# KiCad board amp board.kicad_pcb (continued)
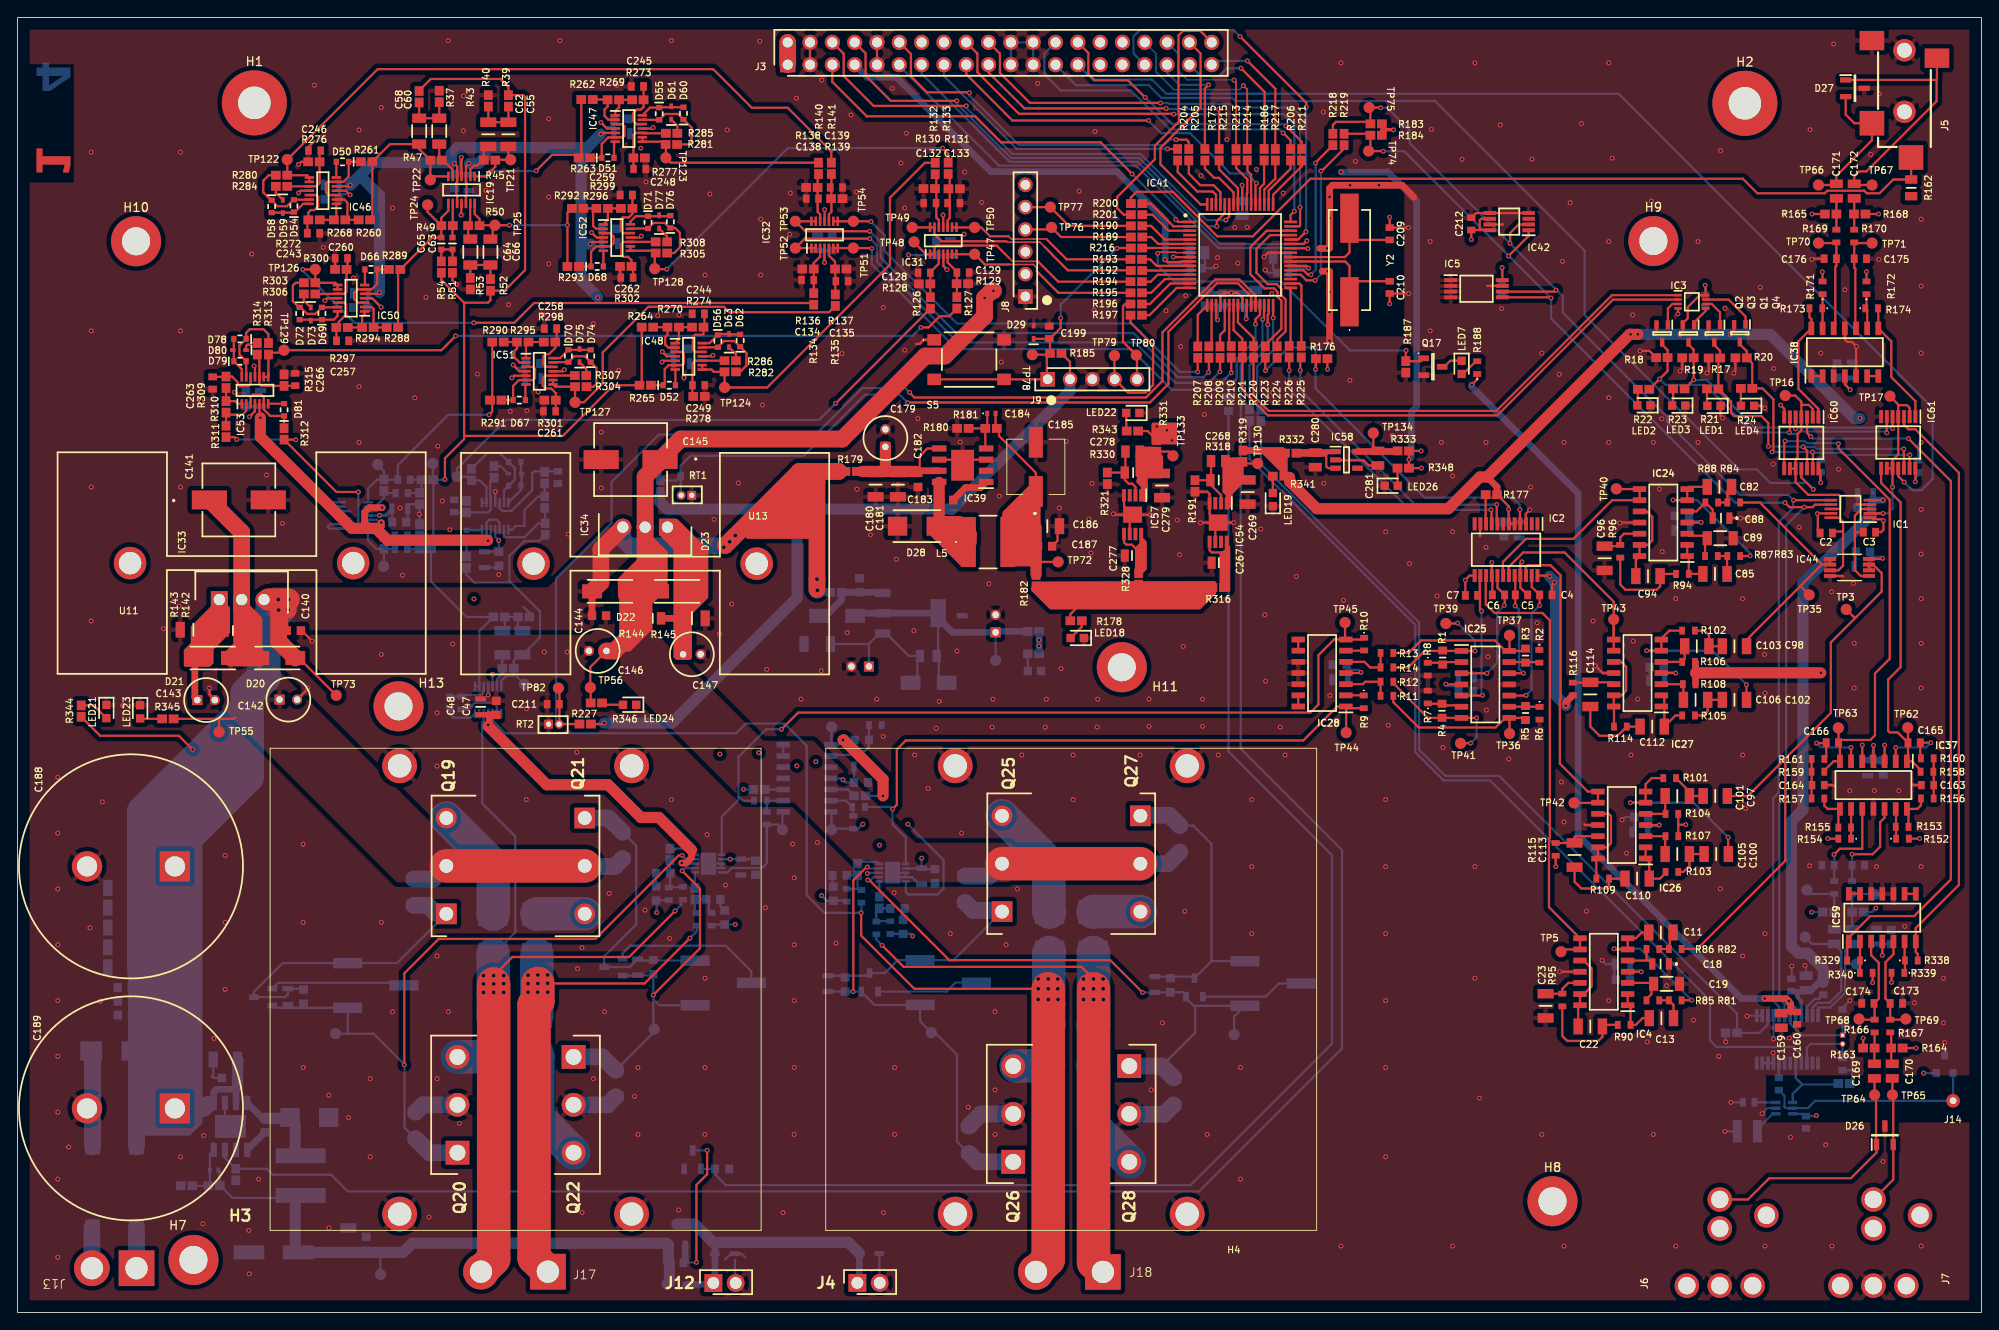
[diagram p0: board, top side]
## Library data of the parts (continued)
C155 C157 = -: Datasheet: https://datasheet.datasheetarchive.com/originals/distributors/Datasheets-DGA8/2473117.pdf; Height: 0.9; Manufacturer_Name: SAMSUNG; Manufacturer_Part_Number: CL10C220JB81PNC; Mouser Part Number: N/A; Mouser Price/Stock: https://www.mouser.co.uk/ProductDetail/Samsung-Electro-Mechanics/CL10C220JB81PNC?qs=X6jEic%2FHinCm8EFcRPgkKA%3D%3D
C161 C162 C173-C176 = -: Datasheet: https://content.kemet.com/datasheets/KEM_C1003_C0G_SMD.pdf; Description: SMD Comm C0G, Ceramic, 1000 pF, 10%, 25 VDC, 62.5 VDC, 125C, -55C, C0G, SMD, MLCC, Ultra-Stable, Low Loss, Class I, 0.1 % , 100 GOhms, 3.7 mg, 0603, 1.6mm, 0.8mm, 0.8mm, 0.7mm, 0.35mm, 4000, 78  Weeks, 120; Height: 0.87; Manufacturer_Name: KEMET; Manufacturer_Part_Number: C0603C102K3GACTU; Mouser Part Number: 80-C0603C102K3G; Mouser Price/Stock: https://www.mouser.co.uk/ProductDetail/KEMET/C0603C102K3GACTU?qs=WzS45ibvhQi32eNhok0ktg%3D%3D; Arrow Part Number: C0603C102K3GACTU; Arrow Price/Stock: https://www.arrow.com/en/products/c0603c102k3gactu/kemet-corporation?region=nac
C163 C164 = -: Datasheet: https://search.murata.co.jp/Ceramy/image/img/A01X/G101/ENG/GRM1885C1H182JA01-01A.pdf; Description: Multilayer Ceramic Capacitors MLCC - SMD/SMT 0.0018uF 50Volts 5%; Height: 0.9; Manufacturer_Name: Murata Electronics; Manufacturer_Part_Number: GRM1885C1H182JA01J; Mouser Part Number: 81-GRM1885C1H182JA1J; Mouser Price/Stock: https://www.mouser.com/Search/Refine.aspx?Keyword=81-GRM1885C1H182JA1J
C165 C166 = -: Datasheet: https://katalog.we-online.com/pbs/datasheet/885012006062.pdf; Description: Multilayer Ceramic Chip Capacitor WCAP-CSGP Series 0603 680pF NP00603681J050DFCT10000; Height: 0.87; Manufacturer_Name: Wurth Elektronik; Manufacturer_Part_Number: 885012006062; Mouser Part Number: 710-885012006062; Mouser Price/Stock: https://www.mouser.co.uk/ProductDetail/Wurth-Elektronik/885012006062?qs=0KOYDY2FL291FiLYqNdpUQ%3D%3D
C179 = -: Datasheet: http://industrial.panasonic.com/cdbs/www-data/pdf/RDF0000/ABA0000C1259.pdf; Height: 12.5; Manufacturer_Name: Panasonic; Manufacturer_Part_Number: EEU-FR1H100B; Mouser Part Number: 667-EEU-FR1H100B; Mouser Price/Stock: https://www.mouser.co.uk/ProductDetail/Panasonic/EEU-FR1H100B?qs=tfZGHB2PWd1xuGJO0KXeNw%3D%3D; Arrow Part Number: EEU-FR1H100B; Arrow Price/Stock: https://www.arrow.com/en/products/eeu-fr1h100b/panasonic?region=nac
C188 C189 = -: Datasheet: https://componentsearchengine.com/Datasheets/2/SLPX682M050C7P3.pdf; Height: 42; Manufacturer_Name: Cornell Dubilier; Manufacturer_Part_Number: SLPX682M050C7P3
C199 C243-C245 C247 C257-C259 C263 = -: Datasheet: https://datasheet.datasheetarchive.com/originals/distributors/Datasheets_SAMA/cc5107097899af003b9e5ad41810a26f.pdf; Height: 0.87; Manufacturer_Name: KEMET; Manufacturer_Part_Number: CC0603JRNPO9BN101; Mouser Part Number: 603-CC603JRNPO9BN101; Mouser Price/Stock: https://www.mouser.co.uk/ProductDetail/YAGEO/CC0603JRNPO9BN101?qs=AgBp2OyFlx%252Bc5vUOLFsmXA%3D%3D; Arrow Part Number: CC0603JRNPO9BN101; Arrow Price/Stock: https://www.arrow.com/en/products/cc0603jrnpo9bn101/yageo
C209 C210 = -: Datasheet: https://datasheet.datasheetarchive.com/originals/dk/DKDS-19/374021.pdf; Height: 0.9; Manufacturer_Name: SAMSUNG; Manufacturer_Part_Number: CL10C330JB8NNNC; Mouser Part Number: 187-CL10C330JB8NNNC; Mouser Price/Stock: https://www.mouser.co.uk/ProductDetail/Samsung-Electro-Mechanics/CL10C330JB8NNNC?qs=349EhDEZ59qFBaa9e46rsA%3D%3D; Arrow Part Number: CL10C330JB8NNNC; Arrow Price/Stock: https://www.arrow.com/en/products/cl10c330jb8nnnc/samsung-electro-mechanics?region=nac
C246 C248-C250 C260-C262 C266 = -: Datasheet: https://www.yageo.com/en/Chart/Download/pdf/CC0603KRX7R7BB104; Description: 0.1 F +/-10% 16V Ceramic Capacitor X7R 0603 (1608 Metric); Height: 0.9; Manufacturer_Name: YAGEO; Manufacturer_Part_Number: CC0603KRX7R7BB104; Mouser Part Number: 603-CC603KRX7R7BB104; Mouser Price/Stock: https://www.mouser.co.uk/ProductDetail/YAGEO/CC0603KRX7R7BB104?qs=AgBp2OyFlx8KPmNTlFoWXA%3D%3D; Arrow Part Number: CC0603KRX7R7BB104; Arrow Price/Stock: https://www.arrow.com/en/products/cc0603krx7r7bb104/yageo?region=europe
C267 C277 = -: Datasheet: https://www.mouser.in/datasheet/2/585/MLCC-1837944.pdf; Height: 1.35; Manufacturer_Name: SAMSUNG; Manufacturer_Part_Number: CL21B105KOFNNNE; Mouser Part Number: 187-CL21B105KOFNNNE; Mouser Price/Stock: https://www.mouser.co.uk/ProductDetail/Samsung-Electro-Mechanics/CL21B105KOFNNNE?qs=349EhDEZ59ohjD72SbqNgA%3D%3D; Arrow Part Number: CL21B105KOFNNNE; Arrow Price/Stock: https://www.arrow.com/en/products/cl21b105kofnnne/samsung-electro-mechanics?region=nac
C268 C278 = -: Datasheet: https://katalog.we-online.com/pbs/datasheet/885012007034.pdf; Height: 0.7; Manufacturer_Name: Wurth Elektronik; Manufacturer_Part_Number: 885012007034; Mouser Part Number: 710-885012007034; Mouser Price/Stock: https://www.mouser.co.uk/ProductDetail/Wurth-Elektronik/885012007034?qs=0KOYDY2FL2%2Fe7W6MOnhOJQ%3D%3D
D1 D19 D84 = -: Datasheet: https://componentsearchengine.com/Datasheets/2/BAT54JFILM.pdf; Height: 1.17; Manufacturer_Name: STMicroelectronics; Mouser Part Number: 511-BAT54JFILM; Mouser Price/Stock: https://www.mouser.co.uk/ProductDetail/STMicroelectronics/BAT54JFILM?qs=iux7VCIsw51N9WI%2FM0S0Rw%3D%3D; Arrow Price/Stock: https://www.arrow.com/en/products/bat54jfilm/stmicroelectronics?utm_currency=USD&region=europe
D17 D28 = -: Datasheet: http://www.st.com/web/en/resource/technical/document/datasheet/CD00002286.pdf; Height: 2.65; Manufacturer_Name: STMicroelectronics; Mouser Part Number: 511-STPS3L60U; Mouser Price/Stock: https://www.mouser.co.uk/ProductDetail/STMicroelectronics/STPS3L60U?qs=NP3vpjCFX6iwV3DBAjttBw%3D%3D; Arrow Price/Stock: https://www.arrow.com/en/products/stps3l60u/stmicroelectronics?region=europe
D20-D23 D82 D83 = -: Datasheet: https://componentsearchengine.com/Datasheets/2/S1B-13-F.pdf; Height: 2.3; Manufacturer_Name: Diodes Incorporated; Mouser Part Number: 621-S1B-F; Mouser Price/Stock: https://www.mouser.co.uk/ProductDetail/Diodes-Incorporated/S1B-13-F?qs=zxTnCqfIubBIimUkgF4o7A%3D%3D; Arrow Price/Stock: https://www.arrow.com/en/products/s1b-13-f/diodes-incorporated?utm_currency=USD&region=nac
D24 = -: Datasheet: https://www.diodes.com/assets/Datasheets/ds32185.pdf; Height: 1.2; Manufacturer_Name: Diodes Incorporated; Mouser Part Number: 621-D1213A-01SO-7; Mouser Price/Stock: https://www.mouser.com/Search/Refine.aspx?Keyword=621-D1213A-01SO-7; Arrow Price/Stock: https://www.arrow.com/en/products/d1213a-01so-7/diodes-incorporated?region=nac
D26 D27 = -: Datasheet: https://semtech.my.salesforce.com/sfc/p/E0000000JelG/a/440000001MKW/f6pBKheIN2CeR0DxWdS3THuJ7nh4aKYltSzghsLP5iw; Height: 1.2; Manufacturer_Name: SEMTECH
D29 = -: Datasheet: https://diotec.com/request/datasheet/esd5z2v5.pdf; Height: 0.7; Manufacturer_Name: Diotec; Mouser Part Number: 637-ESD5Z3V3; Mouser Price/Stock: https://www.mouser.co.uk/ProductDetail/Diotec-Semiconductor/ESD5Z3V3?qs=OlC7AqGiEDnHjVSpJadn8g%3D%3D; Arrow Price/Stock: https://www.arrow.com/en/products/esd5z3v3/diotec-semiconductor-ag?region=nac
D50-D58 D60 D62 D64 D66-D72 D74 D76 D78 D79 D81 = -: Datasheet: https://www.diodes.com//assets/Datasheets/1N4148WT.pdf; Description: Diode 80 V 125mA Surface Mount SOD-523; Height: 0.65; Manufacturer_Name: Diodes Incorporated; Manufacturer_Part_Number: 1N4148WT-7; Mouser Part Number: 621-1N4148WT; Mouser Price/Stock: https://www.mouser.co.uk/ProductDetail/Diodes-Incorporated/1N4148WT-7?qs=FITO%2F%2FQgYDlMYETivVNccQ%3D%3D; Arrow Part Number: 1N4148WT-7; Arrow Price/Stock: https://www.arrow.com/en/products/1n4148wt-7/diodes-incorporated?utm_currency=USD&region=europe
D59 D61 D63 D65 D73 D75 D77 D80 = -: Datasheet: http://www.onsemi.com/pub/Collateral/RB751S40T1-D.PDF; Height: 0.7; Manufacturer_Name: onsemi; Mouser Part Number: 863-RB751S40T1G; Mouser Price/Stock: https://www.mouser.co.uk/ProductDetail/onsemi/RB751S40T1G?qs=xZq1yRCsb1eQ%2Ff4mzLQKzQ%3D%3D; Arrow Price/Stock: https://www.arrow.com/en/products/rb751s40t1g/on-semiconductor?region=nac
H3 H4 = -: Datasheet: https://datasheet.datasheetarchive.com/originals/distributors/Datasheets-DGA11/2294770.pdf; Height: 39.3; Manufacturer_Name: Ohmite; Mouser Part Number: 588-MA-302-55E; Mouser Price/Stock: https://www.mouser.co.uk/ProductDetail/Ohmite/MA-302-55E?qs=tYmwsUu3c1E9CA0MfHqiiA%3D%3D
IC1 = -: Datasheet: https://datasheet.datasheetarchive.com/originals/distributors/Datasheets-4/DSA-75456.pdf; Description: AD5243BRMZ10, Digital Potentiometer 10k 256-Position 2-channel Serial-2 Wire, Serial-I2C 10-Pin MSOP; Height: 1.1; Manufacturer_Name: Analog Devices; Mouser Part Number: 584-AD5243BRMZ10; Mouser Price/Stock: https://www.mouser.co.uk/ProductDetail/Analog-Devices/AD5243BRMZ10?qs=NmRFExCfTkHtnPRbcc%252ByZQ%3D%3D; Arrow Price/Stock: null?region=nac
IC2 = -: Datasheet: https://datasheet.datasheetarchive.com/originals/distributors/Datasheets-1/DSA-1895.pdf; Description: Digital Potentiometer 256POS 10KOhm Quad AD5204BRUZ10, Digital Potentiometer 10k 256-Position 4-channel Serial-3 Wire, Serial-SPI 24-Pin TSSOP; Height: 1.2; Manufacturer_Name: Analog Devices; Mouser Part Number: 584-AD5204BRUZ10; Mouser Price/Stock: https://www.mouser.co.uk/ProductDetail/Analog-Devices/AD5204BRUZ10?qs=NmRFExCfTkFFm%252Bq9h%2Fwnrg%3D%3D; Arrow Price/Stock: https://www.arrow.com/en/products/ad5204bruz10/analog-devices?region=nac
IC3 = -: Datasheet: https://www.arrow.com/en/products/sn74lvc1g139dcut/texas-instruments; Height: 0.9; Manufacturer_Name: Texas Instruments; Mouser Part Number: 595-SN74LVC1G139DCUT; Mouser Price/Stock: https://www.mouser.co.uk/ProductDetail/Texas-Instruments/SN74LVC1G139DCUT?qs=2Yv9SV80M5jJOx4x6tBofA%3D%3D; Arrow Price/Stock: https://www.arrow.com/en/products/sn74lvc1g139dcut/texas-instruments?region=nac
IC4 IC24-IC28 IC37 IC38 IC45 IC59 = -: Datasheet: http://componentsearchengine.com/Datasheets/1/OPA1644AIDR.pdf; Height: 1.75; Manufacturer_Name: Texas Instruments; Mouser Part Number: 595-OPA1644AIDR; Mouser Price/Stock: https://www.mouser.co.uk/ProductDetail/Texas-Instruments/OPA1644AIDR?qs=%2Fqzd9s%252BcLd6xS3OL97VFEA%3D%3D; Arrow Price/Stock: https://www.arrow.com/en/products/opa1644aidr/texas-instruments?region=nac
IC5 = -: Datasheet: https://www.mouser.in/datasheet/2/268/AT24C256C-I2C-Compatible-Serial-EEPROM-256-Kbit-20-1398091.pdf; Description: Atmel AT24C256C-XHL-B EEPROM Memory, 256kbit, 600ns, 1.7  5.5 V 8-Pin TSSOP; Height: 1.2; Manufacturer_Name: Microchip; Mouser Part Number: 556-AT24C256C-XHL-B; Mouser Price/Stock: https://www.mouser.co.uk/ProductDetail/Microchip-Technology/AT24C256C-XHL-B?qs=fzsaQExJLyTlPrSwJGNJHg%3D%3D; Arrow Price/Stock: https://www.arrow.com/en/products/at24c256c-xhl-b/microchip-technology?utm_currency=USD&region=europe
IC18-IC20 IC31 IC32 IC46-IC53 = -: Datasheet: https://www.ti.com/lit/ds/symlink/tl074.pdf?HQS=dis-mous-null-mousermode-dsf-pf-null-wwe&ts=1653289518838&ref_url=https%253A%252F%252Fwww.mouser.es%252F; Height: 1.1; Manufacturer_Name: Texas Instruments; Mouser Part Number: 595-TL074HIDYYR; Mouser Price/Stock: https://www.mouser.co.uk/ProductDetail/Texas-Instruments/TL074HIDYYR?qs=Li%252BoUPsLEnudP2MOdP5hYw%3D%3D; Arrow Price/Stock: https://www.arrow.com/en/products/tl074hidyyr/texas-instruments?region=nac
IC30 IC39 = -: Datasheet: http://www.st.com/web/en/resource/technical/document/datasheet/CD00285678.pdf; Height: 1.75; Manufacturer_Name: STMicroelectronics; Mouser Part Number: 511-ST1S14PHR; Mouser Price/Stock: https://www.mouser.co.uk/ProductDetail/STMicroelectronics/ST1S14PHR?qs=NQm4g1eHia4Ogn8sLa%252BqDg%3D%3D; Arrow Price/Stock: https://www.arrow.com/en/products/st1s14phr/stmicroelectronics?region=europe
IC33 IC34 = -: Datasheet: http://www.ti.com/lit/ds/symlink/lm338.pdf; Height: 4.7; Manufacturer_Name: Texas Instruments; Manufacturer_Part_Number: LM338T/NOPB; Mouser Part Number: 926-LM338T/NOPB; Mouser Price/Stock: https://www.mouser.co.uk/ProductDetail/Texas-Instruments/LM338T-NOPB?qs=X1J7HmVL2ZENaH7%2FMvkSlw%3D%3D; Arrow Part Number: LM338T/NOPB; Arrow Price/Stock: null?region=nac
IC35 = -: Datasheet: http://www.psemi.com/pdf/datasheets/pe4259ds.pdf; Height: 1.1; Manufacturer_Name: Peregrine Semiconductor; Mouser Part Number: 81-4259-63; Mouser Price/Stock: https://www.mouser.co.uk/ProductDetail/pSemi/4259-63?qs=iw0hurA%2FaD37qvQcKdATTw%3D%3D
IC36 = -: Datasheet: https://www.silabs.com/documents/public/data-sheets/Si4730-31-34-35-D60.pdf; Height: 1.75; Manufacturer_Name: Silicon Labs; Mouser Part Number: N/A; Mouser Price/Stock: https://www.mouser.com/Search/Refine.aspx?Keyword=N%2FA; Arrow Part Number: SI4734-D60-GU; Arrow Price/Stock: https://www.arrow.com/en/products/si4734-d60-gu/silicon-labs
IC40 = -: Datasheet: https://datasheet.datasheetarchive.com/originals/distributors/Datasheets_SAMA/0500f9b2f473b6dccef01729b487fb9b.pdf; Height: 2; Manufacturer_Name: onsemi; Mouser Part Number: 512-SMBJ36A; Mouser Price/Stock: https://www.mouser.co.uk/ProductDetail/onsemi-Fairchild/SMBJ36A?qs=HxNY1oXTrTRMgWSOCenZ%252BQ%3D%3D; Arrow Price/Stock: https://www.arrow.com/en/products/smbj36a/on-semiconductor
IC41 = -: Datasheet: http://ww1.microchip.com/downloads/en/DeviceDoc/PIC24FJ128GL306-Family-Data-Sheet-DS30010198B.pdf; Height: 1.2; Manufacturer_Name: Microchip; Manufacturer_Part_Number: PIC24FJ128GL306-I/PT; Mouser Part Number: 579-C24FJ128GL306IPT; Mouser Price/Stock: https://www.mouser.co.uk/ProductDetail/Microchip-Technology/PIC24FJ128GL306-I-PT?qs=GBLSl2AkirtHmG5CiG9GPw%3D%3D; Arrow Part Number: PIC24FJ128GL306-I/PT; Arrow Price/Stock: https://www.arrow.com/en/products/pic24fj128gl306-ipt/microchip-technology?region=nac
IC42 = -: Datasheet: http://www.nxp.com/docs/en/data-sheet/LM75B.pdf; Height: 1.1; Manufacturer_Name: NXP; Mouser Part Number: 771-LM75BDP; Mouser Price/Stock: https://www.mouser.co.uk/ProductDetail/NXP-Semiconductors/LM75BDP118?qs=NVaOCIL7CYS15EE%252BCogVfA%3D%3D; Arrow Price/Stock: https://www.arrow.com/en/products/lm75bdp118/nxp-semiconductors?utm_currency=USD&region=nac
IC44 = -: Datasheet: http://componentsearchengine.com/Datasheets/1/OPA1642AIDGKT.pdf; Description: Dual sound-plus high-performance, JFET-input audio op amps&nbsp;; Manufacturer_Name: Texas Instruments; Mouser Part Number: 595-OPA1642AIDGKT; Mouser Price/Stock: https://www.mouser.co.uk/ProductDetail/Texas-Instruments/OPA1642AIDGKT?qs=%2Fqzd9s%252BcLd73RtEICYYIjg%3D%3D; Arrow Price/Stock: https://www.arrow.com/en/products/opa1642aidgkt/texas-instruments?region=nac
IC54 IC57 = -: Datasheet: https://www.ti.com/lit/ds/symlink/tlv767.pdf?ts=1634721803014&ref_url=https%253A%252F%252Fwww.ti.com%252Fproduct%252FTLV767; Height: 1.1; Manufacturer_Name: Texas Instruments; Mouser Part Number: 595-TLV76701DGNR; Mouser Price/Stock: https://www.mouser.co.uk/ProductDetail/Texas-Instruments/TLV76701DGNR?qs=QNEnbhJQKvYlzprjZl22mQ%3D%3D; Arrow Price/Stock: null?region=nac
IC56 = -: Datasheet: http://www.ti.com/lit/gpn/lm317m; Height: 1.8; Manufacturer_Name: Texas Instruments; Mouser Part Number: 595-LM317MDCYR; Mouser Price/Stock: https://www.mouser.co.uk/ProductDetail/Texas-Instruments/LM317MDCYR?qs=JS6RUWRH9DWKuMPAAfpOMw%3D%3D; Arrow Price/Stock: https://www.arrow.com/en/products/lm317mdcyr/texas-instruments?region=nac
IC58 = -: Datasheet: https://www.ti.com/lit/ds/symlink/tps7a20.pdf?ts=1608958015178&ref_url=https%253A%252F%252Fwww.mouser.mx%252F; Height: 1.45; Manufacturer_Name: Texas Instruments; Mouser Part Number: 595-TPS7A2025PDBVR; Mouser Price/Stock: https://www.mouser.co.uk/ProductDetail/Texas-Instruments/TPS7A2025PDBVR?qs=hd1VzrDQEGjF%252BORCie8Lyg%3D%3D; Arrow Price/Stock: https://www.arrow.com/en/products/tps7a2025pdbvr/texas-instruments?utm_currency=USD&region=europe
IC60 IC61 = -: Datasheet: http://www.ti.com/lit/ds/symlink/ts3a4751.pdf; Description: TS3A4751PWR, Analogue SPST Switch Quad SPST, 3 V, 14-pin TSSOP; Height: 1.2; Manufacturer_Name: Texas Instruments; Mouser Part Number: 595-TS3A4751PWR; Mouser Price/Stock: https://www.mouser.co.uk/ProductDetail/Texas-Instruments/TS3A4751PWR?qs=7kv20MEVUlhmaEkcoyao6g%3D%3D; Arrow Price/Stock: https://www.arrow.com/en/products/ts3a4751pwr/texas-instruments?region=nac
J3 = -: Datasheet: https://componentsearchengine.com/Datasheets/1/61304021821.pdf; Description: WURTH ELEKTRONIK - 61304021821 - Board-To-Board Connector, 2.54 mm, 40 Contacts, Receptacle, WR-PHD Series, Through Hole, 2 Rows; Height: 8.6; Manufacturer_Name: Wurth Elektronik; Mouser Part Number: 710-61304021821; Mouser Price/Stock: https://www.mouser.co.uk/ProductDetail/Wurth-Elektronik/61304021821?qs=bZr6mbWTK5mzEvTTGhcEyQ%3D%3D
J4 J12 = -: Datasheet: http://www.sullinscorp.com/drawings/78_P(N)PxCxxxLFBN-RC,_10492-H.pdf; Description: CONN HEADER FEMALE 2POS .1" TIN; Height: 8.5; Manufacturer_Name: Sullins
J5 = -: Datasheet: https://datasheet.datasheetarchive.com/originals/distributors/Datasheets-DGA1/151896.pdf; Description: Phone Connectors Audio Jacks; Manufacturer_Name: CUI Devices; Mouser Part Number: 490-SJ-3524-SMT-TR; Mouser Price/Stock: https://www.mouser.co.uk/ProductDetail/CUI-Devices/SJ-3524-SMT-TR?qs=WyjlAZoYn50%252B7OcNbxvx%252BA%3D%3D; Arrow Price/Stock: https://www.arrow.com/en/products/sj-3524-smt-tr/cui-devices?region=nac
J6 J7 = -: Datasheet: https://www.keyelco.com/userAssets/file/M65p106.pdf
J8 = -: Datasheet: https://componentsearchengine.com/Datasheets/2/61300611121.pdf; Height: 8.69; Manufacturer_Name: Wurth Elektronik; Mouser Part Number: 710-61300611121; Mouser Price/Stock: https://www.mouser.co.uk/ProductDetail/Wurth-Elektronik/61300611121?qs=t4813l51qx%2FRpdf0Kp1HlQ%3D%3D
J9 = -: Datasheet: http://katalog.we-online.de/em/datasheet/6130xx11121.pdf; Height: 8.54; Manufacturer_Name: Wurth Elektronik; Mouser Part Number: 710-61300511121; Mouser Price/Stock: https://www.mouser.co.uk/ProductDetail/Wurth-Elektronik/61300511121?qs=PhR8RmCirEZCsCRHq%252BvfRQ%3D%3D
L1 = -: Datasheet: https://search.murata.co.jp/Ceramy/image/img/P02/JELF243A-0024.pdf; Description: Murata LQQ18A Series Wire-wound SMD Inductor 0.056 uH +/-5% 360mA Idc Q:38; Height: 1; Manufacturer_Name: Murata Electronics; Manufacturer_Part_Number: LQW18AN56NJ00D; Mouser Part Number: 81-LQW18AN56NJ00D; Mouser Price/Stock: https://www.mouser.com/Search/Refine.aspx?Keyword=81-LQW18AN56NJ00D; Arrow Part Number: LQW18AN56NJ00D; Arrow Price/Stock: https://www.arrow.com/en/products/lqw18an56nj00d/murata-manufacturing?region=nac
L2 L5 = -: Datasheet: https://abracon.com/Magnetics/power/ASPI-6045S.pdf; Height: 4.5; Manufacturer_Name: ABRACON; Mouser Part Number: 815-ASPI-6045S-6R8MT; Mouser Price/Stock: https://www.mouser.co.uk/ProductDetail/ABRACON/ASPI-6045S-6R8M-T?qs=Y3s8Jkk9bu9mAbWIGyDq8w%3D%3D; Arrow Price/Stock: https://www.arrow.com/en/products/aspi-6045s-6r8m-t/abracon?region=europe
L3 = -: Datasheet: https://psearch.en.murata.com/inductor/product/LQW2UAS2R7J00%23.html; Description: LQW2UAS_00 Series Inductor 2700nH +/-5% 1008 (2520); Height: 2.03; Manufacturer_Name: Murata Electronics; Manufacturer_Part_Number: LQW2UAS2R7J00L; Mouser Part Number: 81-LQW2UAS2R7J00L; Mouser Price/Stock: https://www.mouser.com/Search/Refine.aspx?Keyword=81-LQW2UAS2R7J00L; Arrow Part Number: LQW2UAS2R7J00L; Arrow Price/Stock: https://www.arrow.com/en/products/lqw2uas2r7j00l/murata-manufacturing
LED1-LED4 = -: Height: 0.8; Manufacturer_Name: Wurth Elektronik; Mouser Part Number: 710-150060SS75000; Mouser Price/Stock: https://www.mouser.co.uk/ProductDetail/Wurth-Elektronik/150060SS75000?qs=LlUlMxKIyB0oQaxwspeTEA%3D%3D
LED7 = -: Datasheet: https://componentsearchengine.com/Datasheets/2/150060VS75000.pdf; Height: 0.8; Manufacturer_Name: Wurth Elektronik; Mouser Part Number: 710-150060VS75000; Mouser Price/Stock: https://www.mouser.co.uk/ProductDetail/Wurth-Elektronik/150060VS75000?qs=LlUlMxKIyB1Q1Bi5mQ%2FKLw%3D%3D
LED18 LED19 LED21-LED26 = -: Datasheet: https://componentsearchengine.com/Datasheets/2/150060VS75000.pdf; Description: 2.4 V Green LED 1608 (0603) SMD, Wurth Elektronik WL-SMCW 150060VS75000; Height: 0.8; Manufacturer_Name: Wurth Elektronik; Mouser Part Number: 710-150060VS75000; Mouser Price/Stock: https://www.mouser.co.uk/ProductDetail/Wurth-Elektronik/150060VS75000?qs=LlUlMxKIyB1Q1Bi5mQ%2FKLw%3D%3D
Q1-Q4 = -: Datasheet: https://www.diodes.com//assets/Datasheets/BSS84WQ.pdf; Height: 1.1; Manufacturer_Name: Diodes Incorporated; Mouser Part Number: 621-BSS84WQ-7-F; Mouser Price/Stock: https://www.mouser.co.uk/ProductDetail/Diodes-Incorporated/BSS84WQ-7-F?qs=wtVJq%252Be05r%252B5TZHG3xVH8w%3D%3D; Arrow Price/Stock: https://www.arrow.com/en/products/bss84wq-7-f/diodes-incorporated?region=nac
Q5 = -: Datasheet: https://www.onsemi.com/pub/Collateral/NTR4101P-D.PDF; Description: Leading -20 V Trench for Low RDS(on); -1.8 V Rated for Low Voltage Gate Drive; SOT-23 Surface Mount for Small Footprint; RoHS Compliant; Height: 1.11; Manufacturer_Name: onsemi; Mouser Part Number: 863-NTR4101PT1G; Mouser Price/Stock: https://www.mouser.co.uk/ProductDetail/onsemi/NTR4101PT1G?qs=ZXBb0xZ9WeBh273dYEE9qw%3D%3D; Arrow Price/Stock: https://www.arrow.com/en/products/ntr4101pt1g/on-semiconductor?region=nac
Q6 Q17 = -: Datasheet: https://datasheet.datasheetarchive.com/originals/distributors/SFDatasheet-0/sf-0003625.pdf; Height: 1.2; Manufacturer_Name: Diodes Incorporated; Mouser Part Number: 621-2N7002-F; Mouser Price/Stock: https://www.mouser.co.uk/ProductDetail/Diodes-Incorporated/2N7002-7-F?qs=jMXWnm70%252BC%252BAX%252BMLzUkTZg%3D%3D; Arrow Price/Stock: https://www.arrow.com/en/products/2n7002-7-f/diodes-incorporated?region=nac
Q18 Q23 Q24 Q29 = -: Datasheet: https://www.diodes.com//assets/Datasheets/MMBT3904.pdf; Height: 1.1; Manufacturer_Name: Diodes Incorporated; Mouser Part Number: 621-MMBT3904-F; Mouser Price/Stock: https://www.mouser.co.uk/ProductDetail/Diodes-Incorporated/MMBT3904-7-F?qs=7F%2FY8wl6X3H3eL7tHVWSBQ%3D%3D; Arrow Price/Stock: https://www.arrow.com/en/products/mmbt3904-7-f/diodes-incorporated?region=europe
Q19 Q21 Q25 Q27 = -: Datasheet: https://pdf1.alldatasheet.com/datasheet-pdf/view/476556/COMSET/TIP142.html; Height: 5; Manufacturer_Name: Comset
Q20 Q22 Q26 Q28 = -: Datasheet: http://www.st.com/web/en/resource/technical/document/datasheet/CD00000914.pdf; Height: 5.15; Manufacturer_Name: STMicroelectronics; Mouser Part Number: 511-TIP147; Mouser Price/Stock: https://www.mouser.co.uk/ProductDetail/STMicroelectronics/TIP147?qs=ljbEvF4DwONGY3byYNGzlA%3D%3D; Arrow Price/Stock: https://www.arrow.com/en/products/tip147/stmicroelectronics?region=europe
R1 R3-R5 R55 = -: Datasheet: https://www.vishay.com/docs/31006/tnpw.pdf; Description: Lead (Pb)-Bearing High Stability Thin Film Chip Resistors; Height: 0.55; Manufacturer_Name: Vishay; Manufacturer_Part_Number: TNPW06034K59BEEA
R2 R6-R10 R15 R16 R25 R26 R31 R150 R151 R166 R167 R169 R170 = -: Datasheet: https://industrial.panasonic.com/cdbs/www-data/pdf/RDM0000/AOA0000C307.pdf; Description: Thin Film Resistors - SMD 0603 1/10W 1Kohms 0.1% 25ppm; Height: 0.55; Manufacturer_Name: Panasonic; Manufacturer_Part_Number: ERA-3AEB102V; Mouser Part Number: 667-ERA-3AEB102V; Mouser Price/Stock: https://www.mouser.co.uk/ProductDetail/Panasonic/ERA-3AEB102V?qs=1VWA5LkbEaoqrqE7i0E0xA%3D%3D; Arrow Part Number: ERA-3AEB102V; Arrow Price/Stock: https://www.arrow.com/en/products/era3aeb102v/panasonic?utm_currency=USD&region=europe
R11-R14 R27-R30 = -: Datasheet: https://industrial.panasonic.com/cdbs/www-data/pdf/RDM0000/AOA0000C307.pdf; Description: Thin Film Resistors - SMD 0603 1/10W 2Kohms; Height: 0.55; Manufacturer_Name: Panasonic; Manufacturer_Part_Number: ERA-3AEB202V; Mouser Part Number: 667-ERA-3AEB202V; Mouser Price/Stock: https://www.mouser.co.uk/ProductDetail/Panasonic/ERA-3AEB202V?qs=XhO1W%252B5LdJ9D9%2Fzvy31Isg%3D%3D
R17-R20 R56 R58 R147 R185 R187 R222 R227 R260 R262 R264 R266 R268-R275 R280-R283 R288 R290 R292 R294-R299 R303-R305 R309-R311 R313 R349 = -: Datasheet: http://www.yageo.com/documents/recent/PYu-RC0603_51_RoHS_L_v5.pdf; Height: 0.55; Manufacturer_Name: KEMET; Manufacturer_Part_Number: RC0603FR-0710KL; Mouser Part Number: 603-RC0603FR-0710KL; Mouser Price/Stock: https://www.mouser.co.uk/ProductDetail/YAGEO/RC0603FR-0710KL?qs=grNVn54RoB%252B3GtjbJj3wJQ%3D%3D; Arrow Part Number: RC0603FR-0710KL; Arrow Price/Stock: https://www.arrow.com/en/products/rc0603fr-0710kl/yageo?region=nac
R21-R24 R178 R341 = -: Datasheet: http://www.yageo.com/documents/recent/PYu-RC0603_51_RoHS_L_v5.pdf; Height: 0.55; Manufacturer_Name: KEMET; Manufacturer_Part_Number: RC0603FR-073KL; Mouser Part Number: 603-RC0603FR-073KL; Mouser Price/Stock: https://www.mouser.co.uk/ProductDetail/YAGEO/RC0603FR-073KL?qs=gt6vzsuosg28N5hJbu0EKA%3D%3D
R32 R33 R229 R231 R236 R237 = -: Datasheet: https://industrial.panasonic.com/cdbs/www-data/pdf/RDM0000/AOA0000C307.pdf; Height: 0.55; Manufacturer_Name: Panasonic; Manufacturer_Part_Number: ERA-3AEB103V; Mouser Part Number: 667-ERA-3AEB103V; Mouser Price/Stock: https://www.mouser.co.uk/ProductDetail/Panasonic/ERA-3AEB103V?qs=1VWA5LkbEaprA2zo9bMIGA%3D%3D; Arrow Part Number: ERA-3AEB103V; Arrow Price/Stock: https://www.arrow.com/en/products/era-3aeb103v/panasonic?utm_currency=USD&region=europe